# Altium PCB MillingLight_48V.PcbDoc
Units mm, origin at the board's own origin, x right, y up, seen from the top; angles counter-clockwise.
Board outline 122 x 104 mm, 2 copper layers (Top Layer, Bottom Layer); 48 components, 44 nets, 100 pads, 0 vias.
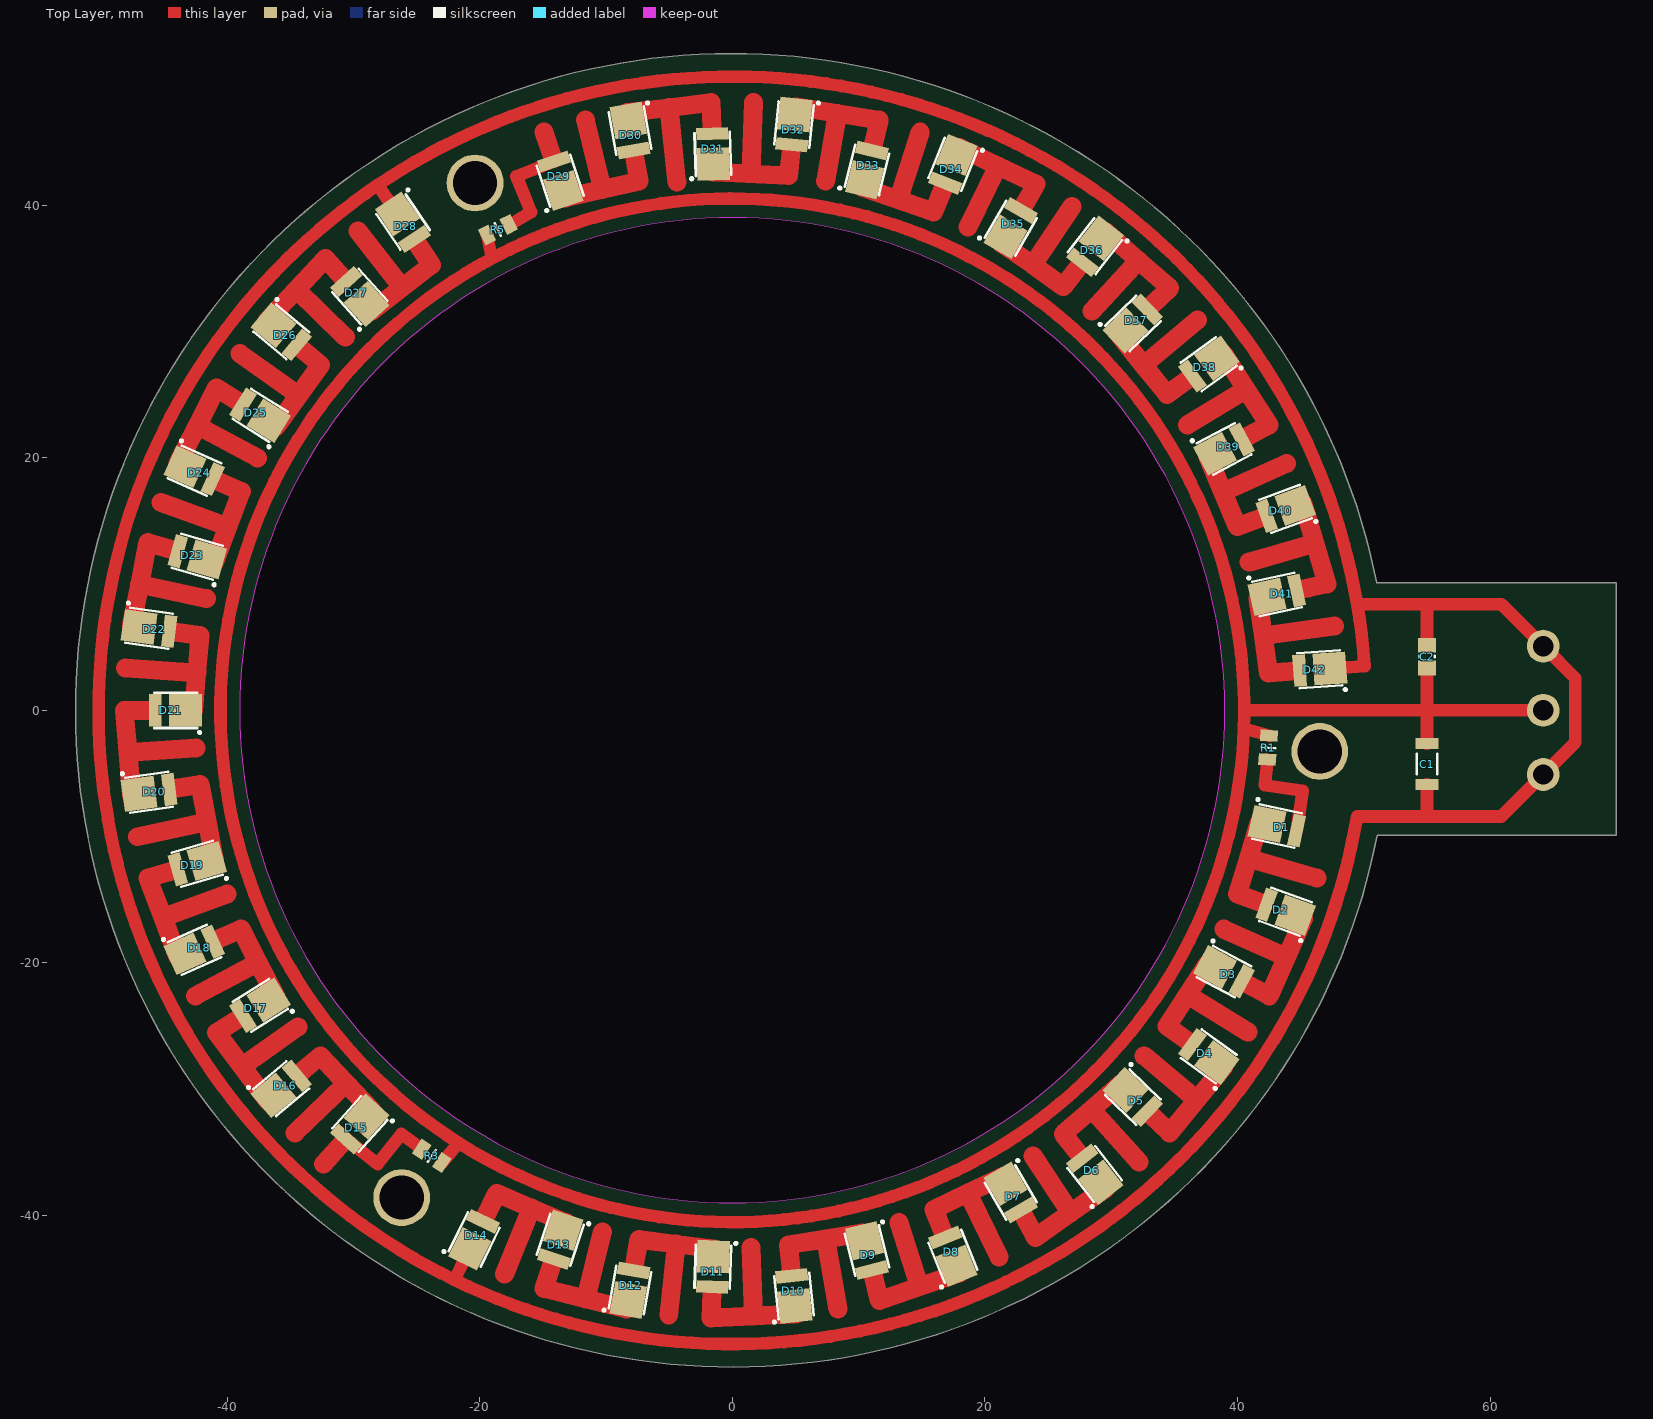
[diagram p0: Top Layer view]
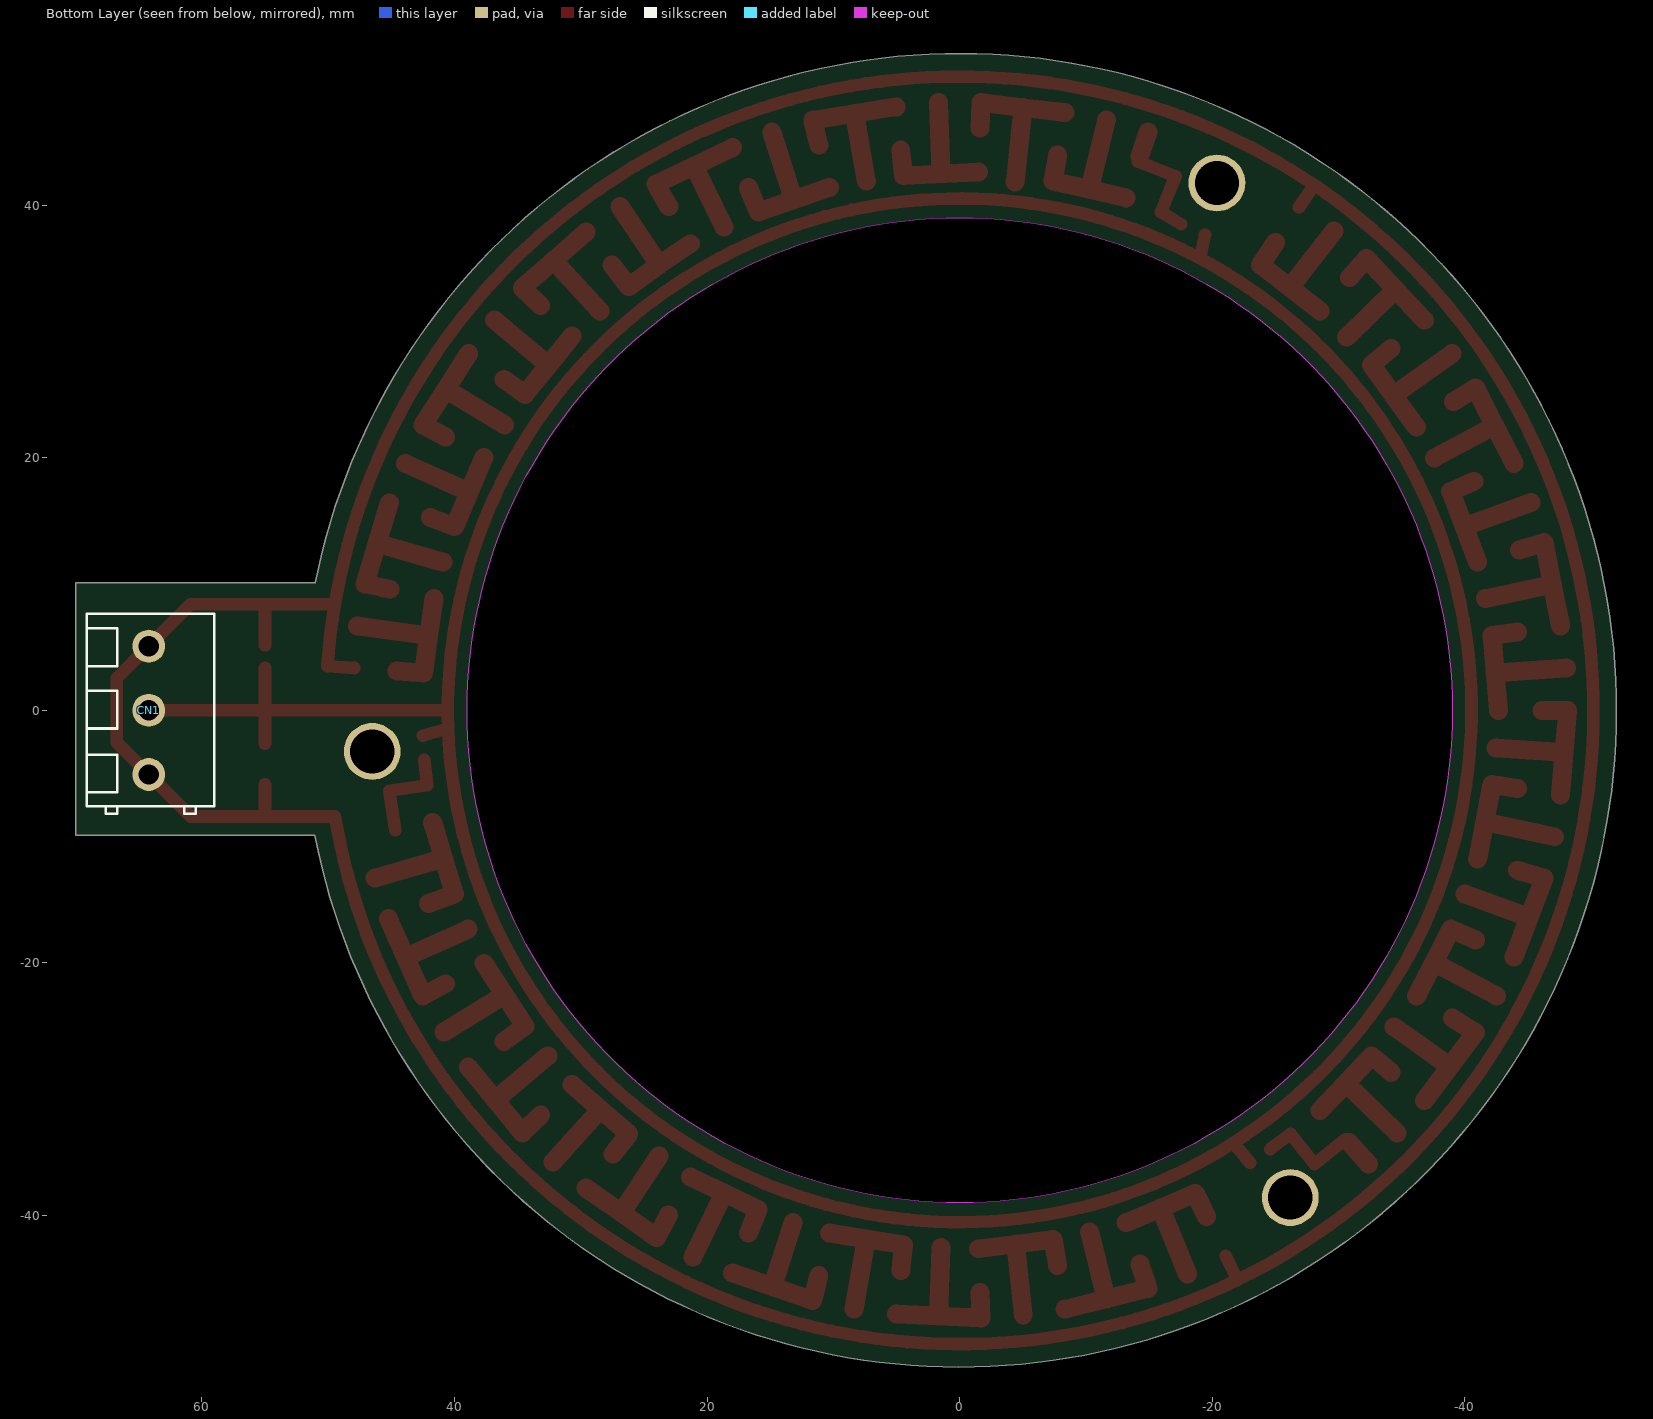
[diagram p1: Bottom Layer view, seen from below]

## Layer stack, top to bottom
Top Solder: solder mask 0.0102, Solder Resist, Dk 3.5
Top Layer: signal copper 0.0356
Dielectric 1: dielectric 0.32, FR-4, Dk 4.8
Bottom Layer: signal copper 0.0356
Bottom Solder: solder mask 0.0102, Solder Resist, Dk 3.5

## Board outline
51.049,-9.9 cw(c0,0) 51.01,10.097 51.025,10.1 70,10.1 70,-9.9
cut-out: 0,39 ccw(c0,0) -39,0 ccw(c0,0) 0,-39 ccw(c0,0) 39,0 ccw(c0,0)

## Design rules (kind name [scope] priority, off if disabled: settings)
Clearance [All] p1: gap=0.254 ignorepadtopadclearanceinfootprint=FALSE except(0: Arc-Hole Track-Hole SMDPad-Hole THPad-Hole Via-Hole Fill-Hole Poly-Hole Region-Hole Text-Hole)
ComponentClearance [All] p1: gap=0.124 collisioncheckmode=3 verticalgap=0.124 showdistances=FALSE
PolygonConnect [All] p1: connectstyle=Relief reliefconductorwidth=0.254 reliefentries=4 polygonreliefangle="90 Angle" airgapwidth=0.254
RoutingVias [All] p1: holewidth=0.711 width=1.27 viastyle="Through Hole" minholewidth=0.711 minwidth=1.27 maxholewidth=0.711 maxwidth=1.27
SolderMaskExpansion [All] p1: expansion=0.102
Width [All] p1: maxlimit=2 minlimit=0.254 preferedwidth=0.254
29 further rules are at their usual default settings.

## Components (designator, comment, footprint, x,y, rotation, side; value= is the part's Value field where it differs from the comment)
C1 "CAP" CAPC3216X18N 55,-4.25 r90 top
C2 "CAP" CAPC2012X125N 55,4.25 r270 top
CN1 "CN_1X3F" CN_WURTH_691216510003 64.2,5.08 r270 bottom
D1 "DIO_LED" DIO_Kento_KT-SMD3528-W 43.117,-9.165 r348 top
D2 "DIO_LED" DIO_Kento_KT-SMD3528-W 43.808,-15.945 r160 top
D3 "DIO_LED" DIO_Kento_KT-SMD3528-W 38.92,-20.694 r332 top
D4 "DIO_LED" DIO_Kento_KT-SMD3528-W 37.716,-27.403 r144 top
D5 "DIO_LED" DIO_Kento_KT-SMD3528-W 31.708,-30.621 r316 top
D6 "DIO_LED" DIO_Kento_KT-SMD3528-W 28.689,-36.72 r128 top
D7 "DIO_LED" DIO_Kento_KT-SMD3528-W 22.04,-38.174 r300 top
D8 "DIO_LED" DIO_Kento_KT-SMD3528-W 17.464,-43.225 r112 top
D9 "DIO_LED" DIO_Kento_KT-SMD3528-W 10.664,-42.771 r284 top
D10 "DIO_LED" DIO_Kento_KT-SMD3528-W 4.873,-46.365 r96 top
D11 "DIO_LED" DIO_Kento_KT-SMD3528-W -1.538,-44.053 r268 top
D12 "DIO_LED" DIO_Kento_KT-SMD3528-W -8.095,-45.912 r80 top
D13 "DIO_LED" DIO_Kento_KT-SMD3528-W -13.621,-41.923 r252 top
D14 "DIO_LED" DIO_Kento_KT-SMD3528-W -20.437,-41.902 r64 top
D15 "DIO_LED" DIO_Kento_KT-SMD3528-W -29.495,-32.758 r228 top
D16 "DIO_LED" DIO_Kento_KT-SMD3528-W -35.713,-29.967 r40 top
D17 "DIO_LED" DIO_Kento_KT-SMD3528-W -37.382,-23.359 r212 top
D18 "DIO_LED" DIO_Kento_KT-SMD3528-W -42.589,-18.962 r24 top
D19 "DIO_LED" DIO_Kento_KT-SMD3528-W -42.372,-12.15 r196 top
D20 "DIO_LED" DIO_Kento_KT-SMD3528-W -46.166,-6.488 r8 top
D21 "DIO_LED" DIO_Kento_KT-SMD3528-W -44.08,0 r180 top
D22 "DIO_LED" DIO_Kento_KT-SMD3528-W -46.166,6.488 r352 top
D23 "DIO_LED" DIO_Kento_KT-SMD3528-W -42.372,12.15 r164 top
D24 "DIO_LED" DIO_Kento_KT-SMD3528-W -42.589,18.962 r336 top
D25 "DIO_LED" DIO_Kento_KT-SMD3528-W -37.382,23.359 r148 top
D26 "DIO_LED" DIO_Kento_KT-SMD3528-W -35.713,29.967 r320 top
D27 "DIO_LED" DIO_Kento_KT-SMD3528-W -29.495,32.758 r132 top
D28 "DIO_LED" DIO_Kento_KT-SMD3528-W -26.07,38.65 r304 top
D29 "DIO_LED" DIO_Kento_KT-SMD3528-W -13.621,41.923 r108 top
D30 "DIO_LED" DIO_Kento_KT-SMD3528-W -8.095,45.912 r280 top
D31 "DIO_LED" DIO_Kento_KT-SMD3528-W -1.538,44.053 r92 top
D32 "DIO_LED" DIO_Kento_KT-SMD3528-W 4.873,46.365 r264 top
D33 "DIO_LED" DIO_Kento_KT-SMD3528-W 10.664,42.771 r76 top
D34 "DIO_LED" DIO_Kento_KT-SMD3528-W 17.464,43.225 r248 top
D35 "DIO_LED" DIO_Kento_KT-SMD3528-W 22.04,38.174 r60 top
D36 "DIO_LED" DIO_Kento_KT-SMD3528-W 28.702,36.737 r232 top
D37 "DIO_LED" DIO_Kento_KT-SMD3528-W 31.708,30.621 r44 top
D38 "DIO_LED" DIO_Kento_KT-SMD3528-W 37.716,27.403 r216 top
D39 "DIO_LED" DIO_Kento_KT-SMD3528-W 38.92,20.694 r28 top
D40 "DIO_LED" DIO_Kento_KT-SMD3528-W 43.808,15.945 r200 top
D41 "DIO_LED" DIO_Kento_KT-SMD3528-W 43.117,9.165 r12 top
D42 "DIO_LED" DIO_Kento_KT-SMD3528-W 46.506,3.252 r184 top
R1 "RES" RESC2012X60N 42.424,-2.954 r266.02 top
R3 "RES" RESC2012X60N -23.797,-35.281 r146 top
R5 "RES" RESC2012X60N -18.565,38.064 r26 top

## Footprints (in the part's own frame and the unit in brackets; to place one, negate y for a bottom-side part, rotate by r counter-clockwise, add the part's x,y. Pads: shape width x height; smd on the part's side, far side on the other; paste and mask are expansions set on the pad)
CAPC2012X125N [mm]
  rect 1.15x1.45 smd: 1(-0.9,0) 2(0.9,0)
  silkscreen extent -0.05,-0.62 0.05,0.63, body extent -1.1,-0.72 1.1,0.73, height 1.25
CAPC3216X18N [mm] "Chip Capacitor, 2-Leads, Body 3,20x1,60mm, IPC Medium Density"
  rect 0.9x1.8 smd: 1(-1.625,0) 2(1.625,0)
  silkscreen extent -0.8,-0.8 0.8,0.8, body extent -1.7,-0.9 1.7,0.9, height 1.8
CN_WURTH_691216510003 [mm]
  round 2.6 hole 1.6: 1(0,0) 2(5.08,0) 3(10.16,0)
  silkscreen extent -2.58,-4.9 13.26,5.2, body extent -2.58,-4.9 13.26,5.2, height 13.8
DIO_Kento_KT-SMD3528-W [mm]
  rect 2.6x2.55 smd: 1(-0.8,0)
  rect 1x2.55 smd: 2(1.6,0)
  silkscreen extent -1.96,-1.4 1.7,1.8, body extent -1.75,-1.4 1.75,1.4, height 1.71
RESC2012X60N [mm]
  rect 0.95x1.4 smd: 1(-0.95,0) 2(0.95,0)
  silkscreen extent 0,-0.55 0,0.55, body extent -1,-0.62 1,0.63, height 0.6

## Part data
C1: library part 01_01488, "CAP, MLCC, X5R, 10UF, 50V, 1206", Manufacturer=Murata, Manufacturer PN=GRM31CR61H106KA12L, Supplier Part Number 1=1845762, Value1=10u, Value2=50V, AutoId=1488, ComponentLink1Description=Datasheet, ComponentLink1URL=X:\01_dataSheets\CAP_MURATA_GRM.pdf, DeviceType=capacitor, Id=01_01488, MountType=SMD, Status="0 - Unchecked", SubType=Ceramic, Supplier 1=Farnell
C2: library part 01_01396, "X7R 10% 0805", Manufacturer=KEMET, Manufacturer PN=C0805C105K5RACTU, Supplier Part Number 1=2118131, Value1=1u, Value2=50V, AutoId=1396, ComponentLink1Description=Datasheet, ComponentLink1URL=X:\01_Datasheets\CAP_KEMET_CxxxxCxxxXxRAC.pdf, DeviceType=capacitor, Id=01_01396, MountType=SMT, Status="2 - Checked and Approved", SubType=Ceramic, Supplier 1=Farnell
CN1: library part 02_00091, "WURTH ELEKTRONIK 691216510003 - T/BLOCK, 5,08mm 3W", Manufacturer=Wurth, Manufacturer PN=691216510003, Supplier Part Number 1=1841253, Value1="3 pin", AutoId=91, ComponentLink1Description=Datasheet, ComponentLink1URL=X:\01_dataSheets\CN_WURTH_69121651000x.pdf, ComponentLink2Description=ComponentVerificationSheet, ComponentLink2URL=X:\02_ComponentVerificationSheets\, DeviceType=Connector_3, Id=02_00091, MountType=THT, Status="0 - Unchecked", Supplier 1=Farnell
D1 D2 D3 D4 D5 D6 D7 D8 D9 D10 D11 D12 D13 D14 D15 D16 D17 D18 D19 D20 D21 D22 D23 D24 D25 D26 D27 D28 D29 D30 D31 D32 D33 D34 D35 D36 D37 D38 D39 D40 D41 D42: library part 03_00093, "High Luminous PLCC2 Power Top SMD LED", Manufacturer=Kento, Manufacturer PN=KT-SMD3528-W, Supplier Part Number 1=86399, Value2="2,8..3,5V  2000...2200 mcd", Value3=LED, AutoId=109, ComponentLink1Description=Datasheet, ComponentLink1URL=X:\01_Datasheets\, ComponentLink2Description=ComponentVerificationSheet, ComponentLink2URL=X:\02_ComponentVerificationSheets\, DeviceType=diode, Id=03_00093, MountType=SMD, Status="0 - Unchecked", SubType=LED, Supplier 1=rcs, Value1=KT-SMD3528-W
R1 R3 R5: library part 15_00305, "RESISTOR, 0805, 10R, 1%, SMD", Manufacturer=Yageo, Manufacturer PN=RC0805FR-0710R, Value1=10R, Value2=0W125, AutoId=305, ComponentLink1Description=Datasheet, ComponentLink1URL=X:\01_Datasheets\RES_YAGEO_RC0805FR.pdf, DeviceType=resistor, Id=15_00305, MountType=SMT, Status="0 - Unchecked", SubType="Metal film", Supplier 1=Farnell

## Free pads (board coordinates)
  round 4.5 hole 3.5: ""(-26.176,-38.578) ""(-20.363,41.751) ""(46.506,-3.252)

## Nets (pads, with @x,y where several pads share a name; then routed paths per layer and width w, separated by ;. In a path a pad name is that pad's centre, name@x,y a point inside that pad or via, vN(x,y) a via of type N, cw(c..) or ccw(c..) an arc to the next point about the centre after c; other vN are vias at no path point)
GND: C1.1 C2.1 CN1.1 CN1.3 D14.1 D28.1 D42.1 | length 360
  Top Layer w1: D28.1@-26.866,39.831 -28.058,41.598 ; D14.1@-21.062,-43.183 -21.996,-45.098 ; D42.1@47.928,3.351 50.054,3.5 ccw(c0,0) 49.467,8.405 ; 55,-8.405 C1.1 ; C2.1 55,8.405 ; -28.058,41.598 cw(c0,0) -17.54,47.01 cw(c0,0) -16.578,47.358 cw(c0,0) 26.692,42.487 cw(c0,0) 49.467,8.405 ; -28.058,41.598 ccw(c0,0) -47.363,16.563 ccw(c0,0) -42.479,-26.706 ccw(c0,0) -21.996,-45.098 ; -21.996,-45.098 ccw(c0,0) -5.603,-49.862 ccw(c0,0) 35.493,-35.467 ccw(c0,0) 49.467,-8.405 60.875,-8.405 CN1.3 66.75,-2.53 66.75,2.53 CN1.1 60.875,8.405 55,8.405 ; 49.467,8.405 55,8.405
NetD1_1: D1.1 D2.2 | length 13.8
  Top Layer w1.5: D1.1@41.723,-8.868 40.856,-11.712 ; D2.2@42.039,-15.301 39.99,-14.555 40.856,-11.712 ; 46.279,-13.27 40.856,-11.712
NetD1_2: D1.2 R1.2 | length 8.3
  Top Layer w1: R1.2@42.377,-3.901 42.377,-3.903 42.142,-5.923 45.158,-6.363 D1.2
NetD2_1: D2.1 D3.2 | length 14.2
  Top Layer w1.5: 38.906,-17.322 43.873,-19.537 ; D3.2@40.714,-21.648 42.509,-22.602 45.22,-16.512 45.238,-16.473 D2.1@45.241,-16.466
NetD3_1: D3.1 D4.2 | length 13.6
  Top Layer w1.5: D4.2@36.072,-26.208 34.429,-25.014 36.045,-22.52 ; D3.1@37.662,-20.025 36.045,-22.52 ; 40.848,-25.481 36.045,-22.52
NetD4_1: D4.1 D5.2 | length 14.2
  Top Layer w1.5: 32.6,-27.354 36.758,-30.855 ; D5.2@33.168,-32.034 34.624,-33.451 38.868,-28.287 38.891,-28.258 D4.1@38.906,-28.24
NetD5_1: D5.1 D6.2 | length 13.6
  Top Layer w1.5: D6.2@27.451,-35.136 26.2,-33.535 28.442,-31.583 ; D5.1@30.683,-29.631 28.442,-31.583 ; 32.215,-35.778 28.442,-31.583
NetD6_1: D6.1 D7.2 | length 14.2
  Top Layer w1.5: D7.2@23.039,-39.943 24.001,-41.735 26.783,-39.788 ; 23.797,-35.281 26.783,-39.788 ; D6.1@29.579,-37.831 29.565,-37.841 29.538,-37.86 26.783,-39.788
NetD7_1: D7.1 D8.2 | length 13.6
  Top Layer w1.5: D8.2@16.715,-41.372 15.963,-39.511 18.645,-38.225 ; 21.108,-43.278 18.645,-38.225 ; D7.1@21.328,-36.94 18.645,-38.225
NetD8_1: D8.1 D9.2 | length 14.1
  Top Layer w1.5: D9.2@11.155,-44.742 11.647,-46.714 17.965,-44.558 D8.1@17.998,-44.547 ; 13.181,-40.567 14.823,-45.63
NetD9_1: D9.1 D10.2 | length 13.6
  Top Layer w1.5: D10.2@4.661,-44.344 4.448,-42.323 7.384,-41.855 ; 8.361,-47.416 7.384,-41.855 ; D9.1@10.319,-41.388 7.384,-41.855
NetD10_1: D10.1 D11.2 | length 14.2
  Top Layer w1.5: D11.2@-1.609,-46.084 -1.68,-48.115 1.671,-47.948 ; 1.485,-42.53 1.671,-47.948 ; D10.1@5.022,-47.782 4.988,-47.784 1.671,-47.948
NetD11_1: D11.1 D12.2 | length 13.7
  Top Layer w1.5: D12.2@-7.753,-43.967 -7.389,-41.904 -4.439,-42.267 ; -5.032,-47.88 -4.439,-42.267 ; D11.1@-1.489,-42.629 -4.439,-42.267
NetD12_1: D12.1 D13.2 | length 14.3
  Top Layer w1.5: D13.2@-14.26,-43.851 -14.925,-45.772 -11.618,-46.598 ; -10.295,-41.292 -11.618,-46.598 ; D12.1@-8.343,-47.416 -8.367,-47.41 -8.409,-47.399 -11.618,-46.598
NetD13_1: D13.1 D14.2 | length 13.6
  Top Layer w1.5: D14.2@-19.545,-40.075 -18.652,-38.251 -15.917,-39.409 ; -18.035,-44.638 -15.917,-39.409 ; D13.1@-13.181,-40.567 -15.917,-39.409
NetD15_1: D15.1 D16.2 | length 13.6
  Top Layer w1.5: -34.624,-33.451 -30.573,-29.524 ; D16.2@-34.156,-28.661 -32.6,-27.354 -30.573,-29.524 ; D15.1@-28.542,-31.699 -30.573,-29.524
NetD15_2: D15.2 R3.2 | length 10.6
  Top Layer w1: D15.2 -28.077,-35.936 -26.2,-33.535 R3.2@-24.578,-34.74
  Top Layer w1.5: -32.371,-35.924 D15.2@-30.816,-34.197
NetD16_1: D16.1 D17.2 | length 14.3
  Top Layer w1.5: D17.2@-39,-24.37 -40.828,-25.512 -36.825,-30.855 D16.1@-36.805,-30.883 ; -38.812,-28.199 -34.395,-25.06
NetD17_1: D17.1 D18.2 | length 13.7
  Top Layer w1.5: -42.511,-22.604 -37.541,-19.961 ; D18.2@-40.828,-18.178 -38.906,-17.322 -37.541,-19.961 ; D17.1@-36.173,-22.604 -37.541,-19.961
NetD18_1: D18.1 D19.2 | length 14.3
  Top Layer w1.5: D19.2@-44.156,-12.661 -46.279,-13.27 -45.084,-16.409 ; D18.1@-43.891,-19.542 -43.904,-19.509 -45.084,-16.409 ; -39.99,-14.555 -45.084,-16.409
NetD19_1: D19.1 D20.2 | length 13.7
  Top Layer w1.5: -47.092,-10.01 -41.572,-8.836 ; D20.2@-44.156,-6.195 -42.149,-5.875 -41.572,-8.836 ; D19.1@-41.003,-11.757 -41.572,-8.836
NetD20_1: D20.1 D21.2 | length 14.1
  Top Layer w1.5: D20.1@-47.577,-6.687 -47.58,-6.652 -47.86,-3.347 ; D21.2@-46.112,0 -48.144,0 -47.86,-3.347 ; -42.479,-2.97 -47.86,-3.347
NetD21_1: D21.1 D22.2 | length 13.6
  Top Layer w1.5: -48.027,3.35 -42.398,2.965 ; D22.2@-44.154,6.205 -42.142,5.923 -42.398,2.965 ; D21.1@-42.655,0 -42.398,2.965
NetD22_1: D22.1 D23.2 | length 14.2
  Top Layer w1.5: D22.1@-47.577,6.687 -47.571,6.72 -46.929,9.975 ; D23.2@-44.326,12.71 -46.279,13.27 -46.929,9.975 ; -41.626,8.848 -46.929,9.975
NetD23_1: D23.1 D24.2 | length 13.6
  Top Layer w1.5: -45.241,16.466 -39.938,14.536 ; D23.1@-41.003,11.757 -39.938,14.536 ; D24.2@-40.733,18.136 -38.877,17.309 -39.938,14.536
NetD24_1: D24.1 D25.2 | length 14.1
  Top Layer w1.5: D24.1@-43.891,19.542 -43.876,19.572 -42.354,22.539 ; D25.2@-39.105,24.436 -40.828,25.512 -42.354,22.539 ; -37.599,19.992 -42.354,22.539
NetD25_1: D25.1 D26.2 | length 13.8
  Top Layer w1.5: -38.992,28.24 -34.34,24.95 ; D25.1@-36.173,22.416 -36.109,22.505 -36.084,22.539 -34.34,24.95 ; D26.2@-34.156,28.661 -32.6,27.354 -34.34,24.95
NetD26_1: D26.1 D27.2 | length 14.2
  Top Layer w1.5: D26.1@-36.805,30.883 -36.781,30.908 -34.512,33.328 ; D27.2@-30.855,34.268 -32.215,35.778 -34.512,33.328 ; -30.633,29.54 -34.512,33.328
NetD27_1: D27.1 D28.2 | length 13.7
  Top Layer w1.5: -29.64,37.938 -26.151,33.471 ; D27.1@-28.542,31.61 -28.536,31.615 -28.499,31.644 -23.834,35.256 D28.2@-24.993,37.038
NetD29_1: D29.1 D30.2 | length 13.7
  Top Layer w1.5: D29.1@-13.181,40.567 -10.281,41.237 ; -11.623,46.72 -10.281,41.237 ; D30.2@-7.753,43.967 -7.389,41.904 -10.281,41.237
NetD29_2: D29.2 R5.2 | length 10.1
  Top Layer w1: R5.2@-17.54,38.48 -15.942,39.457 ; -15.962,39.507 -17.084,42.283 D29.2
  Top Layer w1.5: -14.925,45.772 D29.2@-14.255,43.853
NetD30_1: D30.1 D31.2 | length 14.7
  Top Layer w1.5: D30.1@-8.343,47.315 -8.309,47.319 -5.015,47.714 ; -4.395,41.818 -5.015,47.714 ; D31.2@-1.609,46.084 -1.68,48.115 -5.015,47.714
NetD31_1: D31.1 D32.2 | length 13.6
  Top Layer w1.5: D31.1@-1.489,42.629 4.459,42.322 D32.2@4.663,44.347 ; 1.484,42.487 1.68,48.115
NetD32_1: D32.1 D33.2 | length 14.1
  Top Layer w1.5: D32.1@5.022,47.782 5.056,47.776 11.623,46.72 D33.2@11.15,44.744 ; 7.389,41.904 8.331,47.249
NetD33_1: D33.1 D34.2 | length 13.7
  Top Layer w1.5: D33.1@10.319,41.388 15.942,39.457 D34.2@16.722,41.388 ; 13.139,40.437 14.877,45.788
NetD34_1: D34.1 D35.2 | length 14.2
  Top Layer w1.5: D34.1@17.998,44.547 18.032,44.53 21.024,43.105 ; 18.656,38.251 21.024,43.105 ; D35.2@23.025,39.881 23.818,41.254 24.045,41.667 21.024,43.105
NetD35_1: D35.1 D36.2 | length 13.7
  Top Layer w1.5: D35.1@21.328,36.94 23.797,35.281 ; 26.9,39.881 23.797,35.281 ; D36.2@27.545,35.256 26.2,33.535 23.797,35.281
NetD36_1: D36.1 D37.2 | length 14.2
  Top Layer w1.5: 28.476,31.625 32.149,35.614 ; D36.1@29.579,37.86 29.605,37.837 32.149,35.614 ; D37.2@33.17,32.032 34.632,33.444 32.149,35.614
NetD37_1: D37.1 D38.2 | length 13.6
  Top Layer w1.5: D37.1@30.683,29.631 30.689,29.624 32.558,27.32 ; D38.2@36.072,26.208 34.429,25.014 32.558,27.32 ; 36.844,30.916 32.558,27.32
NetD38_1: D38.1 D39.2 | length 14.2
  Top Layer w1.5: 36.031,22.604 40.687,25.424 ; D38.1@38.869,28.24 38.888,28.211 40.687,25.424 ; D39.2@40.687,21.634 42.509,22.602 40.687,25.424
NetD39_1: D39.1 D40.2 | length 13.5
  Top Layer w1.5: D39.1@37.662,20.025 39.99,14.555 D40.2@41.899,15.25 ; 38.869,17.306 43.891,19.542
NetD40_1: D40.1 D41.2 | length 14.2
  Top Layer w1.5: 40.907,11.73 46.119,13.224 ; D41.2@45.104,9.587 45.601,9.693 47.092,10.01 46.119,13.224 ; D40.1@45.148,16.432 45.158,16.399 46.119,13.224
NetD41_1: D41.1 D42.2 | length 13.7
  Top Layer w1.5: D41.1@41.626,8.848 42.039,5.908 ; D42.2@44.56,3.116 42.452,2.969 42.039,5.908 ; 47.68,6.67 42.039,5.908
VCC: C1.2 C2.2 CN1.2 R1.1 R3.1 R5.1 | length 290.3
  Top Layer w1: R3.1@-22.99,-35.812 -21.667,-34.245 ; R5.1 -19.03,35.778 ; 40.5,-1.431 42.491,-2.002 R1.1@42.509,-2.007 ; C1.2 55,0 ; C2.2 55,0 ; CN1.2 55,0 ; -21.667,-34.245 cw(c0,0) -36.507,-17.591 cw(c0,0) -37.022,-16.479 cw(c0,0) -36.514,17.576 cw(c0,0) -35.968,18.668 cw(c0,0) -20.262,35.095 cw(c0,0) -19.419,35.568 cw(c0,0) -19.03,35.778 ; -21.667,-34.245 ccw(c0,0) -10.201,-39.219 ccw(c0,0) -9.006,-39.511 ccw(c0,0) 24.301,-32.43 ccw(c0,0) 25.278,-31.674 ccw(c0,0) 40.498,-1.438 ccw(c0,0) 40.506,-1.223 ccw(c0,0) 40.524,0 ; -19.03,35.778 cw(c0,0) -18.546,36.031 cw(c0,0) -9.022,39.507 cw(c0,0) -7.832,39.76 cw(c0,0) 25.264,31.684 cw(c0,0) 26.2,30.916 cw(c0,0) 40.46,2.272 cw(c0,0) 40.524,0 ; 40.524,0 55,0

## Silkscreen, mask and mechanical layers (free items; w line width, h text height)
Mechanical 1:
  circle w0.254: c0,0 r39
  lines w0.254: 51.01,10.097 ccw(c0,0) 51.049,-9.9 ; 51.025,10.1 70,10.1 70,-9.9 51.05,-9.9

## Dimensions
0,0 to -23.75,-1.25 on Top Overlay
0,0 to -13,14.5 on Top Overlay
70,10.1 to 70,-9.9 on Top Overlay
51.049,-9.9 to 70,-9.9 on Top Overlay
0,52 to 0,-52 on Top Overlay
-52,0 to 70,-9.9 on Top Overlay